# Allegro board FMDEMOD-Long.brd (continued)
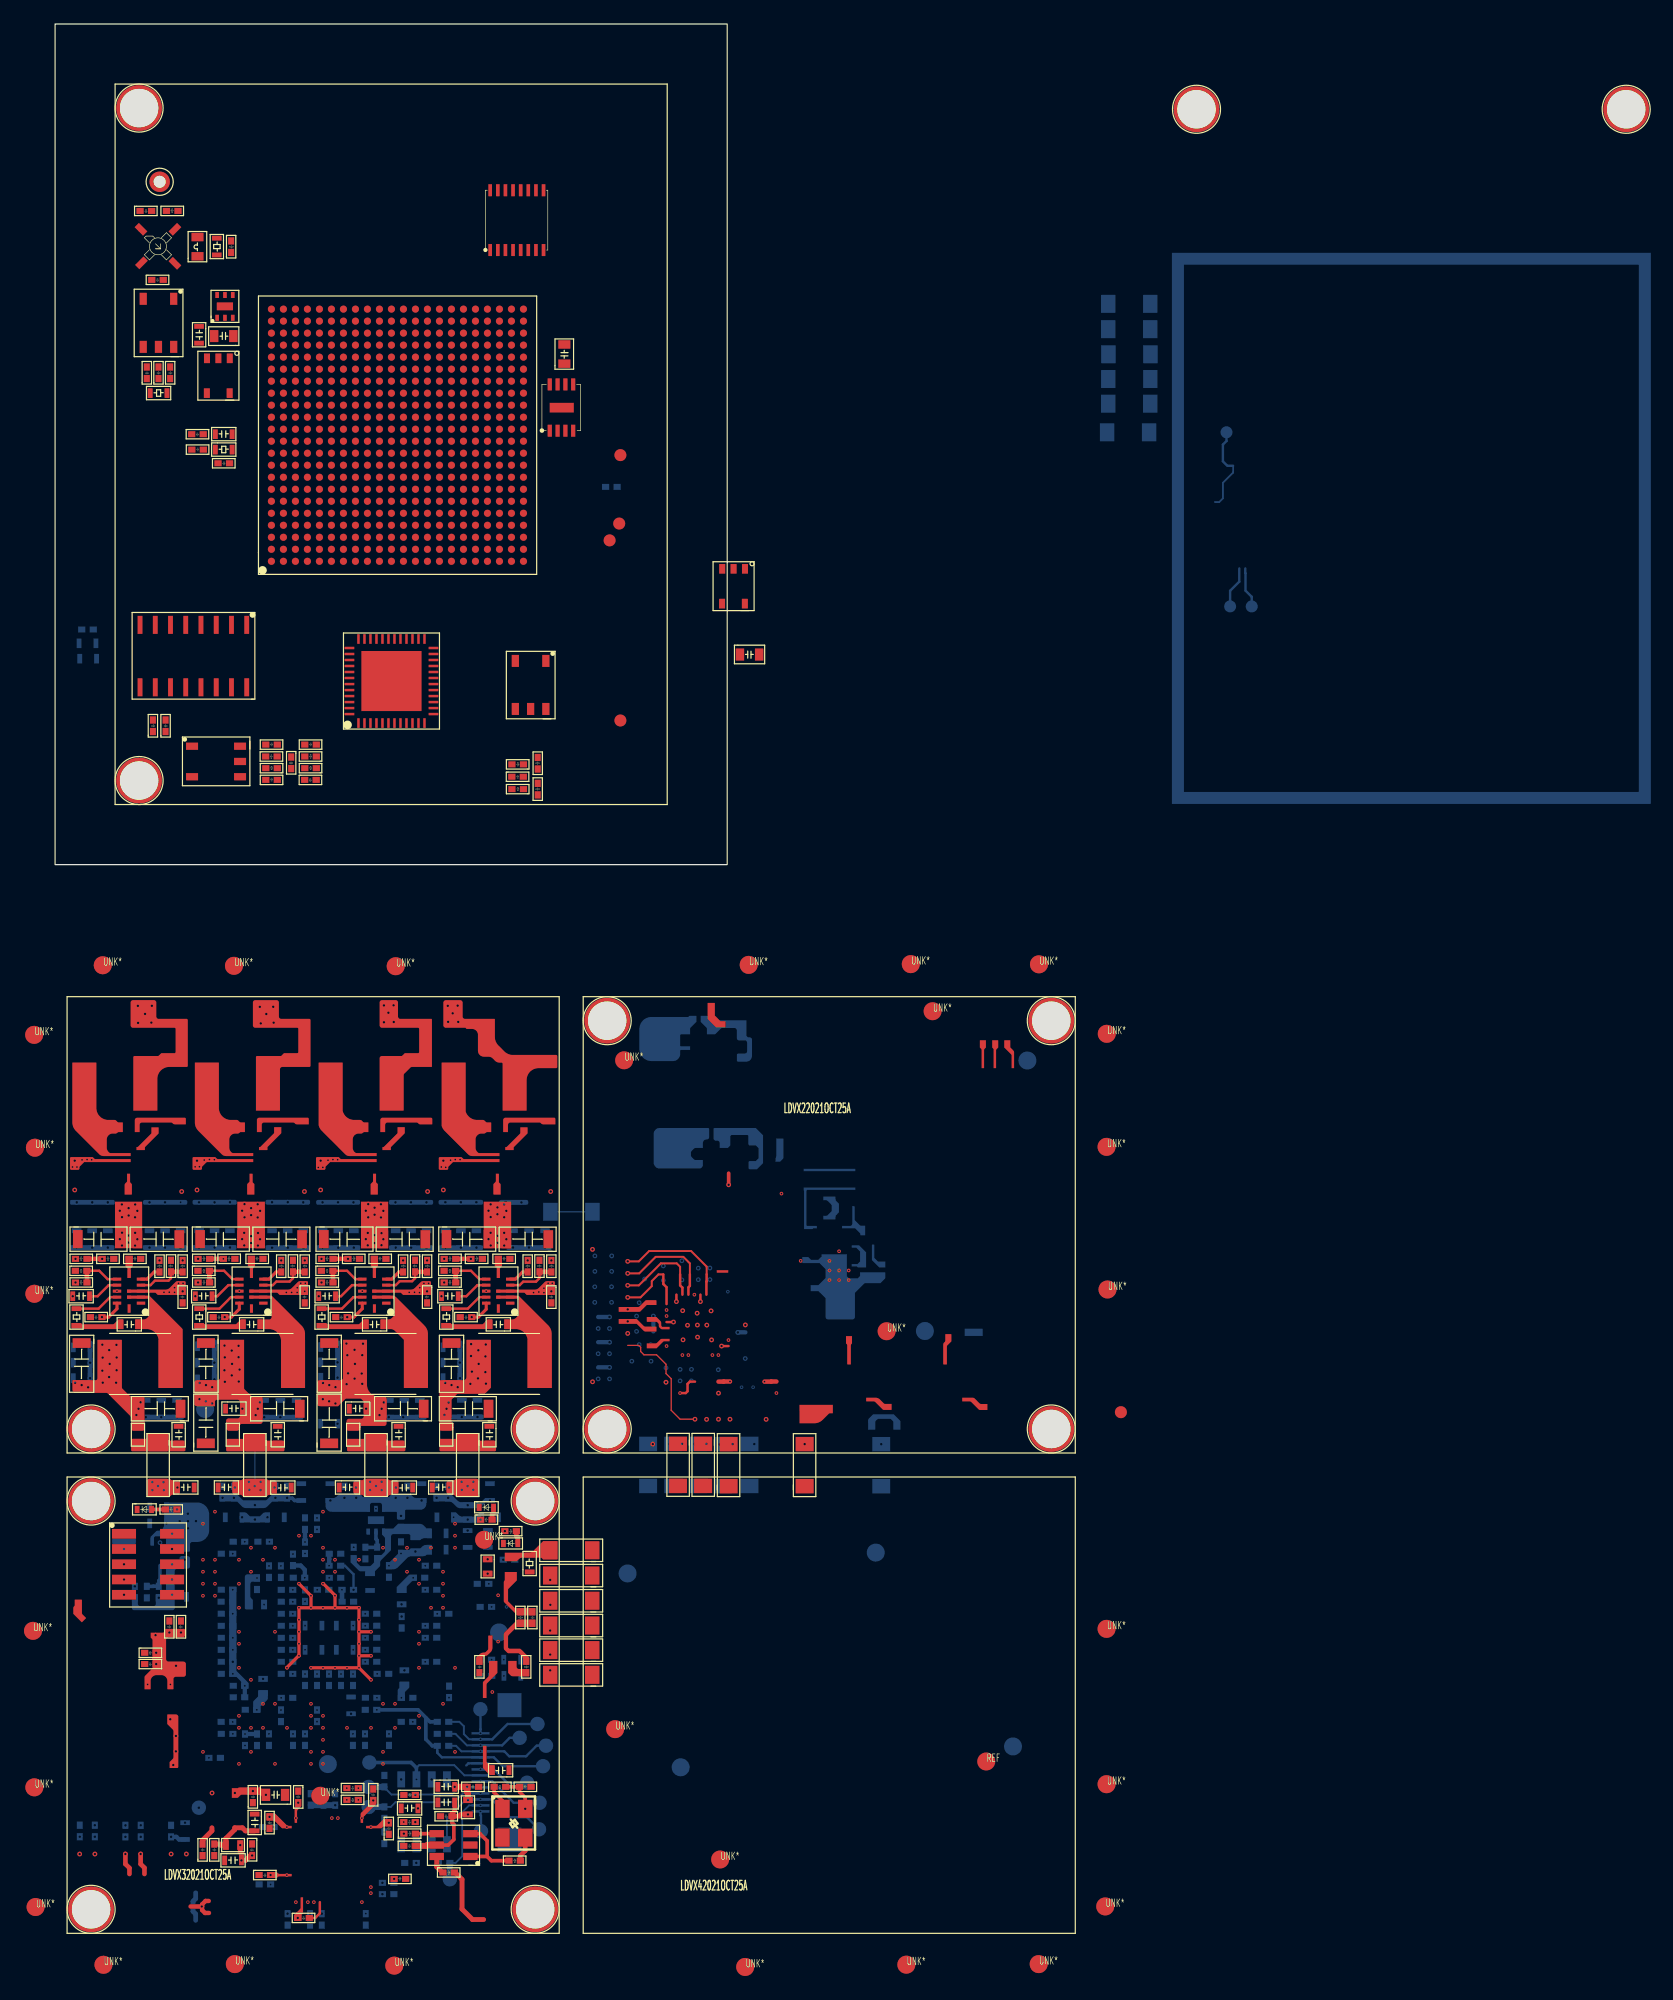
[diagram p0: board, top side]
## Routing (per net, layer and track width the routed paths; a pad name or vN(x,y) marks a point on that pad's centre or on a via; arc(x,y) is an arc through that point) (continued)
DCLK: length 22.1
  SIGNAL-L4 w0.1: v21(30.11,-76.18) 29.84,-75.91 29.84,-74.09 29.15,-73.4 21.81,-73.4 v13(21.32,-73.89)
  BOTTOM w0.16: 30.11,-75.22 30.33,-74.99 33.25,-74.99 34.1,-75.84 J9.8
  BOTTOM w0.3: TP17.1 29.65,-74.77 30.11,-75.22 v21(30.11,-76.18)
ECSPI3_CS0: length 21.9
  SIGNAL-L8 w0.1: v6(53.3,-48.25) 54.44,-47.11 60.62,-47.11 61.93,-45.81 61.93,-38.79 64.52,-36.2 v10(64.52,-34.6)
ECSPI3_MISO: length 31.3
  SIGNAL-L7 w0.1: v16(65.32,-32.2) 65.32,-31.3 65.46,-31.16 65.46,-30.68 64.82,-30.03 63.91,-30.03 63.56,-29.68 61.98,-29.68 61.38,-30.28 61.38,-31.39 60.73,-32.04 60.73,-34.71 62.02,-36 62.02,-45.61 60.84,-46.8 55.7,-46.8 v15(54.27,-48.24)
ECSPI3_MOSI: length 31.5
  SIGNAL-L8 w0.1: v17(52.24,-48.23) 52.74,-48.73 58.87,-48.73 59.37,-48.23 61.89,-48.23 63.25,-46.88 63.25,-41.73 64.31,-40.67 65.56,-40.67 67.55,-38.68 67.55,-35.02 67.82,-34.75 67.82,-33.54 67.28,-33 v10(64.52,-33)
ECSPI3_SCLK: length 24.4
  SIGNAL-L8 w0.1: v10(64.52,-33.8) 64.05,-34.27 64.05,-35.53 61.2,-38.37 61.2,-43.26 60.63,-43.83 60.63,-45.96 59.88,-46.71 52.32,-46.71 51.21,-47.83 v6(51.21,-48.24)
FPGA_RST_MCU: length 8.5
  SIGNAL-L3 w0.1: v8(33.32,-66.89) 33.65,-66.89 34.49,-67.73 40.24,-67.73 40.87,-67.1 v9(41.25,-67.1)
FPGA_SPI2_CS: length 10.9
  SIGNAL-L3 w0.1: v8(32.32,-60.89) 32.81,-61.38 34.1,-61.38 34.24,-61.51 34.5,-61.51 34.57,-61.45 34.57,-61.31 34.64,-61.24 34.9,-61.24 34.97,-61.31 34.97,-61.45 35.04,-61.51 35.3,-61.51 35.37,-61.45 35.37,-61.31 35.44,-61.24 35.7,-61.24 35.77,-61.31 35.77,-61.45 35.85,-61.53 38.02,-61.53 40.28,-63.78 v9(41.24,-63.78)
FPGA_SPI2_MOSI: length 10.5
  SIGNAL-L3 w0.1: v9(41.25,-65.79) 40.37,-65.79 36.98,-62.4 32.83,-62.4 v8(32.32,-61.89)
FPGA_SPI_MISO: length 9.7
  SIGNAL-L3 w0.1: v9(41.26,-61.64) 40.68,-61.64 39.41,-60.37 32.81,-60.37 v8(32.32,-59.89)
FPGA_SPI_MOSI: length 9.5
  SIGNAL-L3 w0.1: v8(32.32,-58.89) 32.82,-59.39 35.36,-59.39 35.53,-59.56 36.64,-59.56 37.01,-59.18 40.36,-59.18 40.74,-59.57 v9(41.25,-59.57)
IO2: length 6.9
  SIGNAL-L3 w0.1: v9(5.74,-57) 8.01,-57 8.66,-57.64 11.42,-57.64 11.66,-57.89 v8(12.32,-57.89)
IO3: length 6.8
  SIGNAL-L3 w0.1: v9(5.74,-58.27) 7.96,-58.27 8.58,-58.89 v8(12.32,-58.89)
IO4: length 6.9
  SIGNAL-L3 w0.1: v8(12.32,-59.89) 11.24,-59.89 10.97,-60.16 8.35,-60.16 7.73,-59.53 v9(5.74,-59.53)
IO5: length 7.1
  SIGNAL-L3 w0.1: v9(5.74,-60.81) 6.44,-60.81 7.11,-61.47 11.32,-61.47 11.9,-60.89 v8(12.32,-60.89)
IO6: length 4
  SIGNAL-L3 w0.1: v8(13.32,-60.89) 12.83,-60.39 11.41,-60.39 11,-60.81 v9(9.74,-60.81)
IO7: length 3.8
  SIGNAL-L3 w0.1: v9(9.74,-59.53) 10.63,-59.53 10.78,-59.38 12.82,-59.38 v8(13.32,-59.89)
IO8: length 3.8
  SIGNAL-L3 w0.1: v8(13.32,-58.89) 12.83,-58.4 11.42,-58.4 11.29,-58.26 v9(9.74,-58.26)
IO9: length 3.9
  SIGNAL-L3 w0.1: v8(13.32,-57.89) 12.8,-57.36 11.92,-57.36 11.55,-57 v9(9.74,-57)
LDO_3V3: length 4.5
  TOP w0.4: C212.2 13.7,-81.56 13.78,-81.65 L22.1 14.23,-81.1 14.97,-80.36 14.97,-80.21 15.61,-80.21 15.87,-80.47 C207.2
LED1: length 2.7
  SIGNAL-L3 w0.1: v9(35.45,-54.55) 34.12,-55.89 v8(33.32,-55.89)
LED2: length 4.7
  SIGNAL-L3 w0.1: v8(33.32,-56.89) 34.46,-56.89 35.84,-55.51 v9(37.47,-55.51)
LED3: length 3.6
  SIGNAL-L3 w0.1: v8(13.32,-53.89) 12.86,-54.35 11.48,-54.35 10.84,-53.7 v9(10.16,-53.7)
MCU_RST_FPGA: length 7.4
  BOTTOM w0.15: 98.15,33.21 98.15,32.65 97.3,31.8 97.3,30.5 96.99,30.19 96.64,30.19
  BOTTOM w0.2: TP43.1 97.6,35.27 97.3,34.97 97.3,33.58 97.67,33.21 98.15,33.21
MCU_UART4_RXD: length 3.4
  BOTTOM w0.2: TP47.1 99.7,22.3 99.19,22.81 99.19,24.25 99.16,24.28 99.16,24.65
MCU_UART4_TXD: length 3.5
  BOTTOM w0.2: TP48.1 97.9,22.8 98.66,23.56 98.66,24.65
MSEL0: length 2.7
  SIGNAL-L3 w0.15: v5(23.9,-60.39) 23.9,-59.95 23.32,-59.37 v8(23.32,-58.89)
  BOTTOM w0.38: v5(23.9,-60.39) 23.9,-61.38 R319.2
MSEL1: length 1.7
  SIGNAL-L3 w0.2: v8(22.32,-57.89) 22.82,-58.38 v5(22.83,-58.38)
  BOTTOM w0.36: R307.2 22.84,-57.81 22.83,-57.82 v5(22.83,-58.38)
MSEL2: length 3.5
  SIGNAL-L3 w0.2: v5(20.8,-59.38) 21.38,-59.38 21.88,-58.89 v8(22.32,-58.89)
  BOTTOM w0.36: v5(20.8,-59.38) 20.8,-58.72 20.46,-58.38 R310.1
MSEL3: length 1.8
  SIGNAL-L3 w0.2: v8(21.32,-55.89) 21.32,-55.9 20.82,-56.4 v5(20.82,-56.41)
  BOTTOM w0.36: R294.2 20.82,-55.93 20.82,-55.93 v5(20.82,-56.41)
NCE: length 26.7
  SIGNAL-L4 w0.1: v13(22.32,-72.89) 22.62,-72.59 29.67,-72.59 31.23,-74.15 31.23,-76.54 32.02,-77.32 34.64,-77.32 35.12,-76.84 v21(35.45,-76.84)
  BOTTOM w0.15: v21(35.45,-76.84) 33.67,-76.84 33.08,-77.44 28.02,-77.44 27.44,-76.86 R357.1
  BOTTOM w0.5: R357.1 26.9,-76.81 26.9,-76.81 TP20.1
NCONFIG: length 36.3
  SIGNAL-L8 w0.1: v10(21.32,-70.89) 20.72,-70.29 20.72,-69.26 21.32,-68.66 34.38,-68.66 36.93,-71.21 36.93,-76.5 36.08,-77.34 v14(35.45,-77.34)
  BOTTOM w0.15: R362.1 27.97,-78.47 28.36,-78.08 33.24,-78.08 33.98,-77.34 v14(35.45,-77.34)
  BOTTOM w0.5: TP22.1 26.91,-78.48 26.91,-78.47 R362.1
NCSO: length 32.3
  SIGNAL-L8 w0.1: v10(16.32,-73.89) 16.58,-74.15 19.01,-74.15 21.19,-76.33 27.68,-76.33 29.19,-77.84 v14(35.45,-77.84)
  BOTTOM w0.15: v14(35.45,-77.84) 34.25,-77.84 32.65,-79.45 U49.1
  BOTTOM w0.2: v14(35.45,-77.84) 36.4,-77.84 37.89,-79.33 39.31,-79.33 TP24.1
Net_1: length 7.1
  PWR-L6 w0.2: 74.05,-70.65 74.45,-70.65 75.3,-69.8 75.3,-68.5 74.68,-68.5 74.43,-68.75 74.05,-68.75
  PWR-L6 w0.3: 69.9,-69.7 69.9,-70.08 69.68,-70.3 69.68,-70.85 70.06,-70.85 70.27,-70.64 71.15,-70.64
Net_2: length 12.2
  PWR-L6 w0.2: 62.5,-71.3 62.5,-70.57 62.7,-70.37 62.7,-70.05
  PWR-L6 w0.3: 50.51,-56.59 50.51,-56.88 50.35,-57.04 50.35,-57.31 ; 66.08,-68.55 66.08,-67.98 66.31,-67.76 66.31,-67.39 65.67,-67.39 65.19,-66.9 64.4,-66.9 ; 81.88,-74.2 81.88,-75.13 82.02,-75.26 82.02,-76.28 ; 64.4,-59.4 62.75,-59.4 62.28,-58.93 61.45,-58.93 ; 47.64,-79.19 47.64,-78.62 47.38,-78.37 47.38,-77.89
Net_4: length 0.6
  PWR-L6 w0.3: 66.92,-24.2 66.91,-24.2 66.52,-23.81
Net_5: length 1.1
  PWR-L6 w0.2: 62.12,-31.4 62.52,-31.8 62.52,-31.8 ; 63.32,-31.8 63.31,-31.8 62.92,-31.4
Net_7: length 2.2
  PWR-L6 w0.26: 66.52,-29.4 66.12,-29 66.12,-29 ; 65.32,-29.8 65.33,-29.8 65.72,-30.19 ; 66.12,-29.8 66.51,-30.19 ; 66.52,-28.6 66.12,-28.2 66.12,-28.2
Net_10: length 56.6
  PWR-L6 w0.2: 65.3,-16.6 65.3,-17.4 65.7,-17.8 ; 62.6,-16.07 63.3,-15.36 63.3,-14.34 ; 70.1,-12.6 70.1,-14.53 69.41,-15.23 67.71,-15.23
  PWR-L6 w0.22: 64.1,-12.2 63.72,-12.58 63.72,-12.62 63.86,-12.77 63.86,-13.23 63.72,-13.38 63.72,-13.38 ; 68.1,-11.63 69.13,-11.63 69.7,-12.2 ; 63.72,-13.38 63.3,-13.8 ; 63.72,-13.38 63.75,-13.41 64.29,-13.41 64.51,-13.64 64.51,-13.96 64.74,-14.19 65.06,-14.19 65.29,-13.96 65.29,-13.64 65.51,-13.41 66.06,-13.41 ; 61.6,-16.07 61.3,-15.77 61.3,-12.84 61.06,-12.6 60.5,-12.6 ; 66.34,-15.23 66.9,-15.78 66.9,-17.96 67.12,-18.19 67.66,-18.19 67.7,-18.15 ; 67.71,-15.23 68.51,-16.02 68.51,-18.2 68.34,-18.37 68.34,-18.83 68.67,-19.16 68.86,-19.16 68.89,-19.19 ; 64.5,-17.41 64.22,-17.13 63.92,-17.13 63.76,-16.97 63.76,-16.35 63.48,-16.07 ; 62.1,-12.6 61.53,-12.6 61.41,-12.72 61.46,-12.77 61.46,-12.84 ; 63.87,-19.93 63.87,-19.33 64.1,-19.11 64.1,-18.6
  PWR-L6 w0.25: 65.3,-16.6 64.77,-16.07 64.17,-16.07
  PWR-L6 w0.26: 62.92,-25.8 63.29,-25.43 63.32,-25.43 ; 64.52,-25.8 64.55,-25.8 64.92,-25.43 ; 62.52,-25.43 62.49,-25.43 62.12,-25.8 ; 66.52,-25.43 66.15,-25.8 66.12,-25.8 ; 65.72,-25.43 65.36,-25.8 65.32,-25.8 ; 63.72,-25.8 64.09,-25.43 64.12,-25.43
  PWR-L6 w0.3: 58.9,-18.2 58.9,-18.2 58.5,-18.6 ; 60.1,-18.6 59.7,-19 ; 58.06,-13.44 58.06,-13.44 58.5,-13 ; 63.3,-13.8 63.3,-13.81 63.3,-14.34 ; 64.1,-12.2 64.1,-11.97 63.98,-11.85 63.98,-11.63 ; 65.7,-13 65.7,-13.05 66.08,-13.44 ; 68.89,-19.19 69.11,-19.19 69.7,-18.6 ; 62.4,-19.15 62.4,-18.91 62.5,-18.81 62.5,-18.6 ; 64.1,-17.8 64.11,-17.8 64.5,-17.41 ; 67.7,-18.15 67.7,-18.2 68.1,-18.6 ; 60.5,-12.6 60.9,-12.2 60.9,-12.2 ; 68.1,-12.2 68.1,-11.63 68.1,-11.63 ; 66.5,-12.2 66.9,-12.6 ; 61.6,-16.07 64.17,-16.07 65.01,-15.23 67.71,-15.23 ; 70.1,-12.6 69.7,-12.2 ; 67.3,-13 67.3,-13.03 67.7,-13.44 ; 58.9,-17.4 59.3,-17.8 59.3,-17.8 ; 62.1,-12.6 61.7,-12.2
  PWR-L6 w0.5: 53.67,-11.77 54.67,-11.77 54.67,-12.51 55.45,-13.3
Net_12: length 0.4
  TOP w0.1: 62.28,-45.85 62.28,-46.27
Net_16: length 1.1
  PWR-L6 w0.26: 72.65,-45.34 72.65,-45.8 72.22,-46.22
Net_18:
  vias: v1(55.26,-42.07)
Net_23: length 2.3
  PWR-L6 w0.26: 64.1,-27.8 63.72,-28.18 63.72,-28.2 ; 64.1,-29.4 64.12,-29.4 64.52,-29 64.92,-29.4 64.92,-29.4 ; 65.32,-28.2 64.92,-27.8 64.92,-27.8
Net_24: length 0
  TOP w0.127: 66.15,-39.56 66.15,-39.57
Net_29: length 8.1
  PWR-L6 w0.2: 65.32,-27.4 65.32,-27.33 64.92,-26.93 ; 64.92,-26.93 64.14,-26.93 64.08,-26.99 63.13,-26.99 63.12,-26.98 62.53,-26.98 62.53,-27.03 62.67,-27.17 62.67,-27.63 62.53,-27.77 62.53,-27.81 62.91,-28.2 ; 64.92,-26.93 65.6,-26.93 65.87,-27.2 66.32,-27.2 ; 64.92,-26.93 64.52,-27.33 64.52,-27.4
  PWR-L6 w0.3: 62.92,-28.2 62.91,-28.2 ; 63.72,-27.4 63.51,-27.19 63.51,-26.99 ; 66.32,-27.2 66.12,-27.4 66.12,-27.4 ; 62.92,-27.4 62.92,-27.38 62.53,-26.98
Net_40: length 111.2
  PWR-L6 w0.1: 60.52,-30.6 60.91,-30.99 60.91,-31
  PWR-L6 w0.2: 59.3,-32.6 59.32,-32.6 59.72,-33 ; 59.72,-32.2 59.32,-31.8 59.3,-31.8 ; 60.52,-30.6 60.52,-30.63 60.83,-30.94 60.83,-31
  PWR-L6 w0.22: 79.27,-15.9 79.27,-16.23 79.36,-16.32 79.36,-16.78 79.27,-16.87 79.27,-22.77 73.84,-28.2 71.75,-28.2 ; 73.11,-15.91 73.11,-16.07 73.36,-16.32 73.36,-16.78 73.11,-17.03 73.11,-19.47 71.39,-21.2 70.77,-21.2 ; 74.33,-15.91 74.33,-20.2 72.33,-22.2 70.77,-22.2 ; 70.77,-20.2 71.11,-20.2 71.89,-19.42 71.89,-15.91 ; 75.58,-17.01 75.58,-20.53 71.92,-24.2 70.77,-24.2 ; 78.06,-15.9 78.06,-21.96 72.82,-27.2 71.75,-27.2 ; 76.86,-15.91 76.86,-21.13 71.79,-26.2 70.77,-26.2
  PWR-L6 w0.26: 55.64,-28.25 55.88,-28.49 56.46,-28.49 ; 55.64,-28.25 55.64,-28.28 53.79,-30.13 53.79,-31.33 54.05,-31.59 55.31,-31.59 55.74,-32.02 55.74,-33.42 55.28,-33.88 ; 55.64,-28.25 55.64,-26.19 55.16,-25.7 ; 67.72,-26.6 67.32,-26.2 67.32,-26.2 ; 57.67,-30.22 57.93,-30.22 58.07,-30.35 58.07,-30.42 58.33,-30.69 58.71,-30.69 58.76,-30.64 58.98,-30.64 59.38,-31.03 60.09,-31.03 60.52,-30.6 ; 70.77,-25.2 70.77,-24.69 70.69,-24.61 70.6,-24.61 68.35,-22.36 65.51,-22.36 65.11,-22.76 65.11,-23.51 64.82,-23.8
  PWR-L6 w0.3: 55.22,-32.16 52.77,-32.16 51.78,-31.18 ; 56.18,-32.16 56.18,-31.41 56.28,-31.31 56.28,-30.98 55.95,-30.98 55.95,-30.98 54.2,-30.98 ; 69.32,-24.2 68.37,-24.2 68.07,-24.5 68.07,-24.98
  PWR-L6 w0.38: 60.25,-45.4 59.76,-45.4 59.6,-45.23
  vias: v1(57.5,-41.14) v2(57.51,-38.33)
Net_41: length 5.9
  PWR-L6 w0.26: 52.82,-23.42 52.82,-21.09 53.47,-20.44 53.47,-19.18
  PWR-L6 w0.3: 50.01,-15.13 50.01,-14.41 50.49,-13.93
Net_44:
  vias: v2(6.9,-11.76) v2(6.91,-13.18) v2(7.49,-12.43) v2(8.02,-13.16) v2(8.06,-11.76)
Net_50:
  vias: v2(27.39,-11.73) v2(27.4,-13.13) v2(27.77,-12.34) v2(28.2,-11.72) v2(28.22,-13.11)
Net_56:
  vias: v2(32.72,-11.76) v2(32.75,-13.1) v2(33.13,-12.39) v2(33.54,-11.75) v2(33.59,-13.1)
Net_62:
  vias: v2(17.06,-11.85) v2(17.14,-13.22) v2(17.6,-12.44) v2(18.17,-11.84) v2(18.21,-13.17)
Net_71: length 0.8
  PWR-L6 w0.3: 55.73,-74.63 55.73,-75.45
Net_73: length 2.5
  PWR-L6 w0.3: 77.78,-76.41 77.78,-75.92 77.3,-75.44 77.3,-74.1
NRST_CPU: length 29
  TOP w0.3: 56.12,-25.7 v15(56.12,-26.67)
  SIGNAL-L3 w0.1: v9(62.45,-48.26) 62.45,-47.57 61.97,-47.09 61.15,-47.09 60.76,-46.69 60.76,-43.26 59.09,-41.6 59.09,-35.15 59.35,-34.89 59.35,-30.12 59.96,-29.52 59.96,-27.96 v16(60.52,-27.4)
  SIGNAL-L7 w0.1: v16(60.52,-27.4) 60.09,-26.97 57.15,-26.97 56.85,-26.67 v15(56.12,-26.67)
NSTATUS: length 0.7
  SIGNAL-L8 w0.1: v10(21.32,-69.89) 21.55,-70.12 21.55,-70.13 v14(21.82,-70.41)
RSSI: length 12.9
  SIGNAL-L4 w0.2: v7(10.94,-82.4) 10.29,-81.75 5.49,-81.75 3.74,-80 v11(3.31,-80)
  SIGNAL-L4 w0.3: v7(10.94,-82.4) 11.98,-81.35 v11(11.98,-78.54)
TCK: length 19.9
  SIGNAL-L8 w0.1: v10(22.32,-73.89) 34.12,-73.89 34.66,-73.34 v14(35.45,-73.34)
  BOTTOM w0.16: R353.2 33.36,-72.39 34.31,-73.34 v14(35.45,-73.34)
  BOTTOM w0.2: TP15.1 37.88,-72.72 37.25,-73.34 v14(35.45,-73.34)
TDI: length 26.1
  SIGNAL-L8 w0.1: v14(35.45,-73.84) 35.77,-73.84 36.17,-73.45 36.17,-71.73 35.21,-70.77 29.06,-70.77 28.53,-71.3 22.74,-71.3 v10(22.32,-70.89)
  BOTTOM w0.16: R356.2 33.4,-73.39 33.86,-73.84 v14(35.45,-73.84)
  BOTTOM w0.2: v14(35.45,-73.84) 37.43,-73.84 37.84,-74.25 39.24,-74.25 40.12,-73.37 TP16.1
TDO: length 15.3
  SIGNAL-L8 w0.1: v10(22.32,-71.89) 34.23,-71.89 34.68,-72.34 v14(35.45,-72.34)
  BOTTOM w0.2: TP13.1 35.44,-72.01 35.45,-72.02 v14(35.45,-72.34)
TMS: length 24.4
  SIGNAL-L8 w0.1: v14(35.45,-72.84) 34.26,-72.84 33.84,-73.26 22.15,-73.26 21.72,-73.69 21.72,-74.29 v10(22.32,-74.89)
  BOTTOM w0.16: v14(35.45,-72.84) 34.49,-72.84 34.06,-72.41 34.06,-71.76 33.69,-71.39 R352.2
  BOTTOM w0.2: v14(35.45,-72.84) 36.42,-72.84 37.7,-71.57 TP14.1
VCOM: length 14.4
  TOP w0.3: 12.25,-86.76 v19(12.22,-86.76)
  TOP w0.36: 12.82,-87.31 12.49,-87.31 12.25,-87.06 12.25,-86.59 12.53,-86.31 12.8,-86.31 ; 11.29,-86.76 v19(12.22,-86.76)
  SIGNAL-L4 w0.36: v7(20.22,-87.72) 18.26,-87.72 17.31,-86.76 v19(12.22,-86.76)
  BOTTOM w0.4: 11.71,-87.91 11.71,-87.39 11.49,-87.17 11.49,-86.76 ; 11.49,-86.76 11.49,-86.34 11.71,-86.12 11.71,-85.63 ; 11.49,-86.76 v19(12.22,-86.76)
VDPL1: length 0.7
  PWR-L6 w0.38: v3(28.32,-69.89) 28.82,-69.38 v4(28.85,-69.38)
VDPL2: length 0.7
  PWR-L6 w0.38: v3(16.32,-58.89) 16.82,-59.39 v4(16.82,-59.41)
VDPL3: length 0.7
  PWR-L6 w0.38: v3(17.32,-69.89) 16.82,-70.38 v4(16.8,-70.38)
VDPL4: length 0.7
  PWR-L6 w0.38: v3(29.32,-58.89) 29.82,-59.39 v4(29.84,-59.39)
N7454523: length 2.8
  SIGNAL-L4 w0.1: v7(30.01,-79.73) 30.01,-80.83 30.76,-81.58 v11(31.38,-81.58)
N7455499: length 1.1
  TOP w0.38: R136.2 36.41,-54.12 36.53,-54 D11.2
N7455557: length 1.1
  TOP w0.38: 38.55,-56.53 38.55,-56.05 38.43,-55.93 R137.2
N7467286: length 1.7
  SIGNAL-L3 w0.2: v8(16.32,-71.89) 16.05,-72.15 16.05,-72.17 v5(15.82,-72.4)
  BOTTOM w0.36: C589.2 v5(15.82,-72.4)
N7498655: length 1.7
  TOP w0.4: C211.2 12.29,-81.24 13.07,-80.47 13.07,-80.21
N7538451: length 0.7
  SIGNAL-L3 w0.2: v8(22.32,-53.89) 22.32,-53.91 v5(21.82,-54.4)
N7580344: length 1.4
  SIGNAL-L3 w0.36: v12(2.06,-80.96) 2.06,-81.33 2.05,-81.34 v9(2.05,-82.4)
N7580738: length 1.4
  SIGNAL-L3 w0.36: v9(3.32,-82.4) 3.32,-81.34 3.31,-81.33 v12(3.31,-80.96)
N7580852: length 2.7
  SIGNAL-L3 w0.36: v9(9.67,-82.4) 9.67,-81.34 9.66,-81.34 v12(9.66,-80.97)
  BOTTOM w0.36: v12(9.66,-80.97) 10.1,-80.97 10.32,-81.19 R364.1
N7581076: length 3.2
  TOP w0.38: 7.45,-84.06 7.45,-83.55 7.13,-83.23 v9(7.13,-82.4)
  SIGNAL-L3 w0.36: v9(7.13,-82.4) 7.13,-81.35 7.13,-81.34 v12(7.13,-80.97)
N7581083: length 3.2
  TOP w0.38: v9(5.86,-82.4) 5.86,-83.22 6.2,-83.56 6.2,-84.06
  SIGNAL-L3 w0.36: v12(5.86,-80.97) 5.86,-81.34 5.86,-81.34 v9(5.86,-82.4)
N7586253: length 2.1
  TOP w0.3: R166.1 36.58,-77.28 37.27,-77.97 Y4.1
N7586496: length 2.1
  TOP w0.38: R185.2 38.77,-82.52 39.17,-82.12 39.17,-81.03
N7586806: length 6.3
  TOP w0.3: U32.1 36,-82.6 ; 36,-82.6 36,-81.3 35.4,-80.7 U32.3 ; 36,-82.6 36.35,-82.95 R185.1
N7587007: length 1.8
  TOP w0.3: R177.1 30.5,-80.7 U32.4
N7587454: length 1.6
  TOP w0.4: R188.1 32.26,-83.93 31.8,-83.46 U32.6
N7587591: length 5.5
  TOP w0.4: 35.7,-87.85 34.77,-87.85 33.9,-86.98 33.9,-84.51 33.32,-83.93 R188.2
N7921484: length 1.2
  TOP w0.3: D12.2 R133.2
N8196940: length 4.2
  TOP w0.2: U11.4 7.95,-35.02 8.32,-34.65 9.45,-34.65 9.65,-34.44 9.65,-33.92
  TOP w0.36: R59.1 10.14,-33.92 10.13,-33.92 9.65,-33.92
N8196944: length 5.6
  TOP w0.36: R49.1 v9(3.93,-32.83)
  SIGNAL-L3 w0.2: v9(3.93,-32.83) 3.93,-33.26 3.46,-33.72 3.46,-35.08 3.9,-35.52 v8(5.16,-35.52)
N8196950: length 11
  TOP w0.25: U11.11 5.16,-36.98 4.46,-37.68 v7(3.91,-37.68)
  SIGNAL-L4 w0.2: v7(3.91,-37.68) 3.91,-33.91 4.45,-33.37 7.8,-33.37 8.21,-32.97 v7(8.7,-32.97)
N8196956: length 1.8
  TOP w0.25: R57.1 8.25,-33.92 7.66,-34.52 U11.5
N8197004: length 3.8
  TOP w0.2: U11.10 4.58,-36.02 3.62,-36.98 R86.1
N8197022: length 2.7
  TOP w0.2: U11.8 4.47,-35.02 3.54,-35.94 C75.2
N8197032: length 3.8
  TOP w0.2: R69.2 3.68,-33.83 4.38,-34.52 U11.7
  TOP w0.36: R69.2 2.65,-34.3 2.66,-34.31 R75.1
N8197074: length 3.7
  TOP w0.2: R87.1 13.7,-36.98 14.65,-36.02 U12.10
N8197146: length 4.2
  TOP w0.2: U12.4 18.14,-35.02 18.44,-34.72 19.54,-34.72 19.82,-34.44 19.82,-33.92
  TOP w0.36: R62.1 20.3,-33.92 20.29,-33.92 19.82,-33.92
N8197148: length 5.3
  TOP w0.36: R51.1 v8(14.02,-32.83)
  SIGNAL-L3 w0.2: v8(14.02,-32.83) 14.02,-33.43 13.7,-33.75 13.7,-35.02 14.2,-35.52 v8(15.35,-35.52)
N8197154: length 2.6
  TOP w0.2: U12.8 14.43,-35.02 13.51,-35.94 C76.2
N8197166: length 3.8
  TOP w0.2: U12.7 14.77,-34.52 14.08,-33.83 R70.2
  TOP w0.36: R76.1 12.87,-34.32 12.86,-34.31 R70.2
N8197176: length 10.9
  TOP w0.25: U12.11 15.35,-37.02 14.68,-37.68 v7(14.13,-37.68)
  SIGNAL-L4 w0.2: v7(18.84,-32.97) 18.32,-32.97 17.91,-33.37 14.68,-33.37 14.13,-33.92 v7(14.13,-37.68)
N8197194: length 1.7
  TOP w0.25: U12.5 17.82,-34.52 18.42,-33.92 R60.1
N8197218: length 3.8
  TOP w0.2: R88.1 23.9,-36.98 24.86,-36.02 25.02,-36.02 25.02,-36.02 U13.10
N8197290: length 4.2
  TOP w0.2: 29.99,-33.92 29.99,-34.44 29.74,-34.69 28.72,-34.69 28.39,-35.02 U13.4
  TOP w0.36: R65.1 30.48,-33.92 30.47,-33.92 29.99,-33.92
N8197292: length 5.4
  TOP w0.36: R53.1 v9(24.4,-32.83)
  SIGNAL-L3 w0.2: v8(25.59,-35.52) 24.55,-35.52 23.94,-34.91 23.94,-33.72 24.4,-33.26 v9(24.4,-32.83)
N8197298: length 2.6
  TOP w0.2: U13.8 25.01,-35.02 24.75,-35.02 23.82,-35.94 C77.2
N8197310: length 3.7
  TOP w0.2: U13.7 25.02,-34.52 24.32,-33.83 R71.2
  TOP w0.36: R77.1 23.16,-34.31 23.15,-34.3 R71.2
N8197320: length 10.8
  TOP w0.25: v7(24.34,-37.68) 24.89,-37.68 25.59,-36.98 U13.11
  SIGNAL-L4 w0.2: v7(24.34,-37.68) 24.34,-33.96 24.93,-33.37 28.09,-33.37 28.49,-32.97 v7(29,-32.97)
N8197338: length 1.6
  TOP w0.25: R63.1 28.65,-33.92 28.05,-34.52 U13.5
N8197362: length 3.7
  TOP w0.2: 32.59,-36.98 34.38,-36.98 35.34,-36.02 U14.10
N8197434: length 4.2
  TOP w0.2: U14.4 38.71,-35.02 39,-34.73 40.06,-34.73 40.35,-34.44 40.35,-33.92
  TOP w0.36: R68.1 40.84,-33.92 40.83,-33.92 40.35,-33.92
N8197436: length 5.5
  TOP w0.36: R55.1 v9(34.64,-32.83)
  SIGNAL-L3 w0.2: v8(35.92,-35.52) 34.65,-35.52 34.32,-35.19 34.32,-33.58 34.64,-33.26 v9(34.64,-32.83)
N8197442: length 2.7
  TOP w0.2: C78.2 34.26,-35.94 35.19,-35.02 U14.8
N8197454: length 3.8
  TOP w0.2: R72.2 34.65,-33.83 35.34,-34.52 U14.7
  TOP w0.36: R72.2 33.37,-34.31 33.38,-34.32 R78.1
N8197464: length 10.8
  TOP w0.25: v7(34.71,-37.68) 35.27,-37.68 35.92,-37.03 U14.11
  SIGNAL-L4 w0.2: v7(39.37,-32.97) 38.83,-32.97 38.43,-33.36 35.28,-33.36 34.71,-33.92 v7(34.71,-37.68)
N8197482: length 1.7
  TOP w0.25: R66.1 38.95,-33.92 38.35,-34.52 U14.5
N8449814: length 5
  SIGNAL-L8 w0.2: v6(6.65,-60.1) 6.65,-57.71 7.89,-56.46 v6(8.74,-56.46)
N8449940: length 2.8
  BOTTOM w0.28: 8.74,-58.36 8.74,-59.52 8.64,-59.62 R315.1
  BOTTOM w0.3: R315.1 8.21,-60.09 8.2,-60.1 R316.2
N8561901: length 4.6
  SIGNAL-L3 w0.26: v5(26.74,-53.64) 25.59,-53.64 24.88,-54.36 v5(24.88,-56.85)
N8561999: length 2.3
  BOTTOM w0.3: U36.2 26.74,-56.17 26.83,-56.27 R304.1 26.82,-56.85 R305.2

## Copper pours and planes (outline as drawn; the poured copper is in the pictures)
1V2_FPGA on BOTTOM (solid shape): 33.51,-52.95 33.68,-53.06 33.87,-53.1 35.28,-53.1 35.47,-53.06 35.63,-52.95 35.83,-52.75 36.63,-52.75 36.63,-53.15 35.83,-53.15 35.53,-53.45 35.37,-53.56 35.18,-53.6 33.77,-53.6 33.58,-53.56 33.41,-53.45 33.14,-53.18 32.98,-53.07 32.79,-53.03 31.53,-53.03 31.53,-52.43 33,-52.43
1V2_FPGA on PWR-L6: 31.37,-51.14 31.37,-53.18 31.52,-53.33 32.97,-53.33 33.04,-53.25 33.36,-53.25 33.74,-53.63 35.13,-53.63 35.47,-53.29 36.73,-53.29 36.9,-53.13 36.9,-51.16 36.85,-51.11 31.39,-51.11
1V2_FPGA_PWR on TOP (solid shape): 36.29,-43.58 35.86,-44.01 35.8,-44.05 35.72,-44.07 33.59,-44.07 33.51,-44.09 33.45,-44.13 33.07,-44.51 33.03,-44.57 33.01,-44.65 33.01,-46.47 33.02,-46.48 33.09,-46.48 33.16,-46.51 33.19,-46.58 33.19,-47.03 33.16,-47.1 33.09,-47.13 32.12,-47.13 32.05,-47.1 32.02,-47.03 32.02,-43.05 32.05,-42.97 32.12,-42.94 33.99,-42.94 34.21,-42.86 34.29,-42.64 34.29,-39.58 36.29,-39.58
2V5_FPGA on BOTTOM (solid shape): 30.37,-54.9 30.56,-54.94 30.73,-55.04 30.98,-55.3 31.38,-55.3 31.38,-56.1 30.78,-56.1 30.59,-56.13 30.43,-56.24 30.42,-56.25 29.62,-56.25 29.62,-55.95 29.56,-55.81 29.42,-55.75 28.19,-55.75 28.05,-55.81 27.99,-55.95 27.99,-57.02 27.97,-57.1 27.93,-57.16 27.08,-58.01 27.08,-58.33 27.07,-58.4 27.03,-58.47 26.64,-58.85 26.64,-59.25 25.84,-59.25 25.84,-58.85 25.44,-58.85 25.37,-58.83 25.3,-58.79 24.63,-58.11 24.63,-57.51 25.13,-57.51 25.13,-58.11 25.38,-58.37 25.45,-58.41 25.52,-58.43 26.18,-58.43 26.25,-58.41 26.32,-58.37 26.58,-58.1 26.58,-57.5 27.1,-57.5 27.18,-57.49 27.24,-57.44 27.43,-57.26 27.47,-57.19 27.49,-57.12 27.49,-56.13 27.47,-56.05 27.43,-55.99 27.24,-55.79 27.24,-55.29 28.09,-55.29 28.17,-55.28 28.23,-55.24 28.57,-54.9
2V5_FPGA_IN on BOTTOM (solid shape): 25.53,-52.47 25.58,-52.62 25.73,-52.67 27.74,-52.67 27.88,-52.62 27.94,-52.47 27.94,-52.43 29.61,-52.43 29.78,-52.61 29.94,-52.71 30.13,-52.75 30.93,-52.75 30.93,-53.23 30.79,-53.58 30.43,-53.73 29.26,-53.73 29.19,-53.76 29.16,-53.83 29.16,-54.44 29.13,-54.51 29.06,-54.54 28.58,-54.54 28.51,-54.51 28.48,-54.44 28.48,-53.99 28.45,-53.92 28.38,-53.89 27.24,-53.89 27.24,-53.35 27.18,-53.21 27.04,-53.15 26.44,-53.15 26.29,-53.21 26.24,-53.35 26.24,-53.89 23.03,-53.89 22.68,-53.75 22.53,-53.39 22.53,-52.75 23.13,-52.75 23.32,-52.71 23.48,-52.61 23.51,-52.58 23.67,-52.47 23.86,-52.43 25.53,-52.43
2V5_FPGA_IN on PWR-L6: 22.91,-54.13 28.01,-54.13 28.41,-54.52 30.09,-54.52 31.16,-53.45 31.16,-51.18 31.11,-51.14 21.85,-51.14 21.48,-51.51 21.48,-52.69
2V5_FPGA_PWR on TOP (solid shape): 25.98,-43.3 26.28,-44.01 26.98,-44.3 27.41,-44.3 27.55,-44.36 27.61,-44.5 27.61,-46.54 27.55,-46.69 27.41,-46.74 25.54,-46.74 25.47,-46.77 25.44,-46.84 25.44,-47.03 25.41,-47.1 25.34,-47.13 24.39,-47.13 24.32,-47.1 24.29,-47.03 24.29,-46.35 24.35,-46.21 24.49,-46.15 25.51,-46.15 25.65,-46.09 25.71,-45.95 25.71,-44.78 25.7,-44.71 25.65,-44.64 25.54,-44.52 25.47,-44.48 25.39,-44.46 24.3,-44.46 24.22,-44.48 24.16,-44.52 23.58,-45.1 22.03,-45.1 21.88,-45.04 21.83,-44.9 21.83,-43.14 21.88,-43 22.03,-42.94 23.79,-42.94 23.93,-42.89 23.98,-42.75 23.98,-39.58 25.98,-39.58
3V3_FPGA on BOTTOM (solid shape): 15.6,-52.88 15.66,-52.92 15.74,-52.94 17.52,-52.94 17.59,-52.92 17.66,-52.88 18.11,-52.43 19.58,-52.43 19.58,-53.03 18.19,-53.03 18.11,-53.05 18.05,-53.09 17.7,-53.44 17.53,-53.55 17.34,-53.59 15.91,-53.59 15.72,-53.55 15.56,-53.44 15.21,-53.09 15.15,-53.05 15.07,-53.03 13.7,-53.03 13.7,-52.43 15.15,-52.43
3V3_FPGA on PWR-L6: 13.05,-51.17 13.05,-52.89 13.75,-53.59 17.55,-53.59 18.05,-53.09 20.38,-53.09 21.01,-52.46 21.01,-51.61 20.5,-51.09 13.13,-51.09
3V3_FPGA_PWR on TOP (solid shape): 15.74,-43.58 15.76,-43.65 15.8,-43.72 16.28,-44.2 16.35,-44.24 16.42,-44.25 17.09,-44.25 17.23,-44.31 17.29,-44.45 17.29,-46.38 17.23,-46.52 17.09,-46.58 15.56,-46.58 15.42,-46.64 15.37,-46.78 15.37,-46.93 15.31,-47.07 15.16,-47.13 14.45,-47.13 14.31,-47.07 14.25,-46.93 14.25,-46.61 14.25,-46.32 14.31,-46.18 14.45,-46.12 15.2,-46.12 15.35,-46.06 15.4,-45.92 15.4,-44.76 15.35,-44.62 15.2,-44.56 13.51,-44.56 13.37,-44.62 13.31,-44.76 13.31,-45.1 11.81,-45.1 11.67,-45.04 11.61,-44.9 11.61,-43.14 11.67,-43 11.81,-42.94 13.54,-42.94 13.69,-42.89 13.74,-42.75 13.74,-39.58 15.74,-39.58
3V3_IF on PWR-L6: 1.56,-69.99 10.04,-69.99 10.53,-70.48 10.53,-78.59 11.38,-79.44 11.38,-83.4 10.91,-83.87 10.32,-83.87 9.31,-84.88 9.31,-88.46 1.56,-88.46
5V_FPGA on TOP (solid shape): 17.02,-76.85 17.09,-76.87 17.16,-76.91 17.21,-76.97 17.91,-76.97 17.91,-77.97 17.21,-77.97 17.21,-77.65 17.16,-77.51 17.01,-77.45 15.57,-77.45 15.49,-77.47 15.43,-77.51 15.23,-77.71 14.73,-77.71 14.73,-76.91 15.23,-76.91 15.29,-76.87 15.37,-76.85
5V_FPGA on TOP (solid shape): 10.73,-63.65 10.8,-63.68 10.83,-63.75 10.83,-64.16 10.77,-64.3 10.63,-64.36 9.45,-64.36 9.31,-64.42 9.25,-64.56 9.25,-66.17 9.31,-66.31 9.45,-66.37 10.7,-66.37 10.84,-66.43 10.9,-66.57 10.9,-67.43 10.84,-67.57 10.7,-67.63 10.06,-67.63 9.92,-67.69 9.86,-67.83 9.86,-68.67 9.36,-68.67 9.36,-68 9.21,-67.64 8.86,-67.5 8.46,-67.5 8.1,-67.64 7.96,-68 7.96,-68.67 7.46,-68.67 7.46,-67.68 7.47,-67.6 7.52,-67.54 8.06,-66.99 8.11,-66.93 8.12,-66.85 8.12,-64.6 8.11,-64.53 8.06,-64.46 7.97,-64.37 7.97,-63.97 8.98,-63.97 9.05,-63.94 9.08,-63.87 9.08,-63.75 9.11,-63.68 9.18,-63.65
5V_FPGA on BOTTOM (solid shape): 11.04,-57.58 11.19,-57.64 11.24,-57.78 11.24,-58.43 11.19,-58.58 11.04,-58.63 10.17,-58.63 10.03,-58.69 9.97,-58.83 9.97,-61.61 9.97,-61.61 9.97,-61.89 9.91,-62.03 9.77,-62.09 6.6,-62.09 6.46,-62.03 6.4,-61.89 6.4,-60.76 6.9,-60.76 6.9,-61.55 6.96,-61.69 7.1,-61.75 8.19,-61.75 8.33,-61.69 8.39,-61.55 8.39,-60.75 9.04,-60.75 9.18,-60.7 9.24,-60.55 9.24,-58.11 10.16,-58.11 10.31,-58.05 10.36,-57.91 10.36,-57.78 10.42,-57.64 10.56,-57.58